# Altium PCB COEX GPS PCB.PcbDoc
Units mm, origin at the board's own origin, x right, y up, seen from the top; angles counter-clockwise.
Board outline 35 x 35 mm, 4 copper layers (Top L, IL1, IL2, Bot. L), stack 1.131 mm thick; 63 components, 39 nets, 223 pads, 103 vias.
Unrouted connection lines stored in the file: 19.
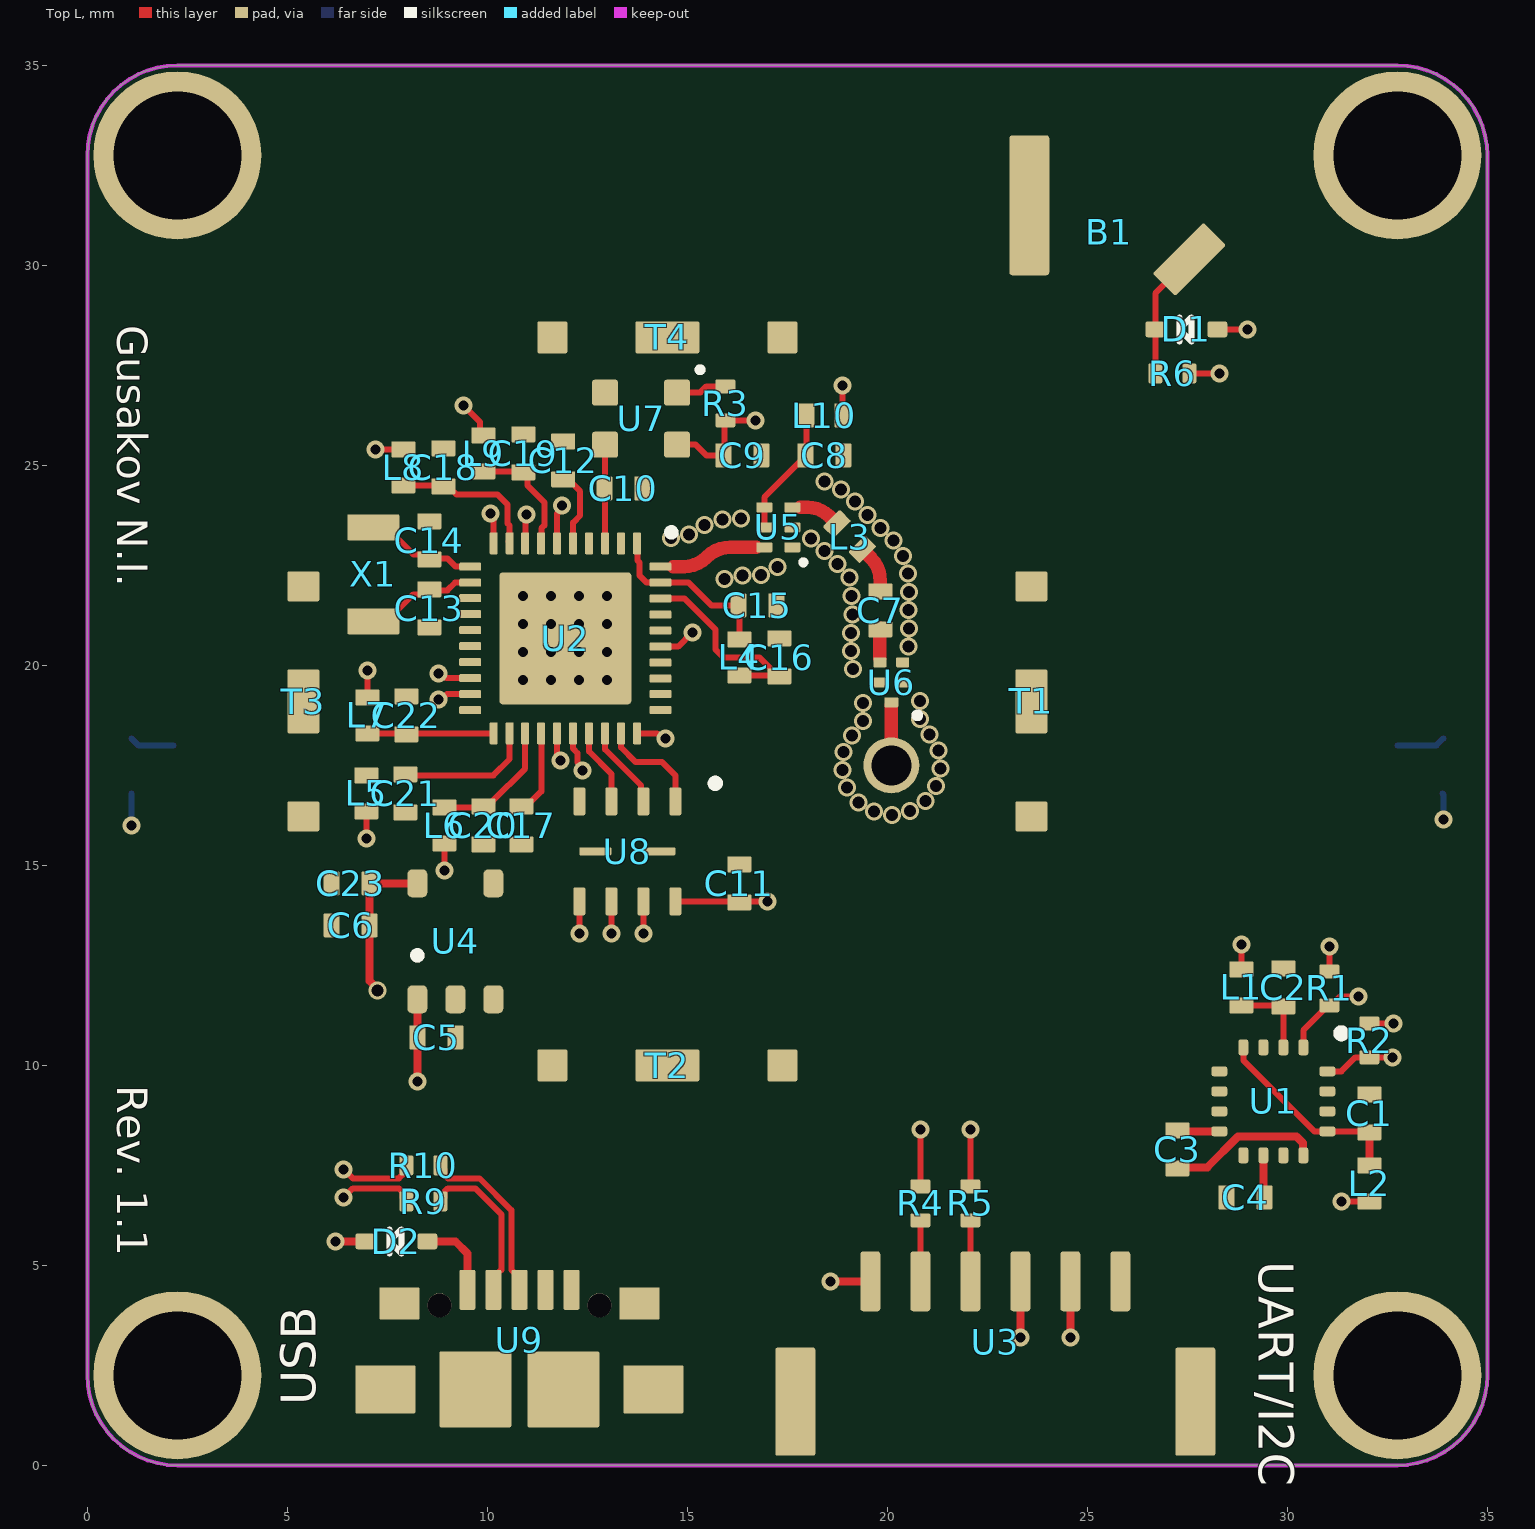
[diagram p0: Top L view]
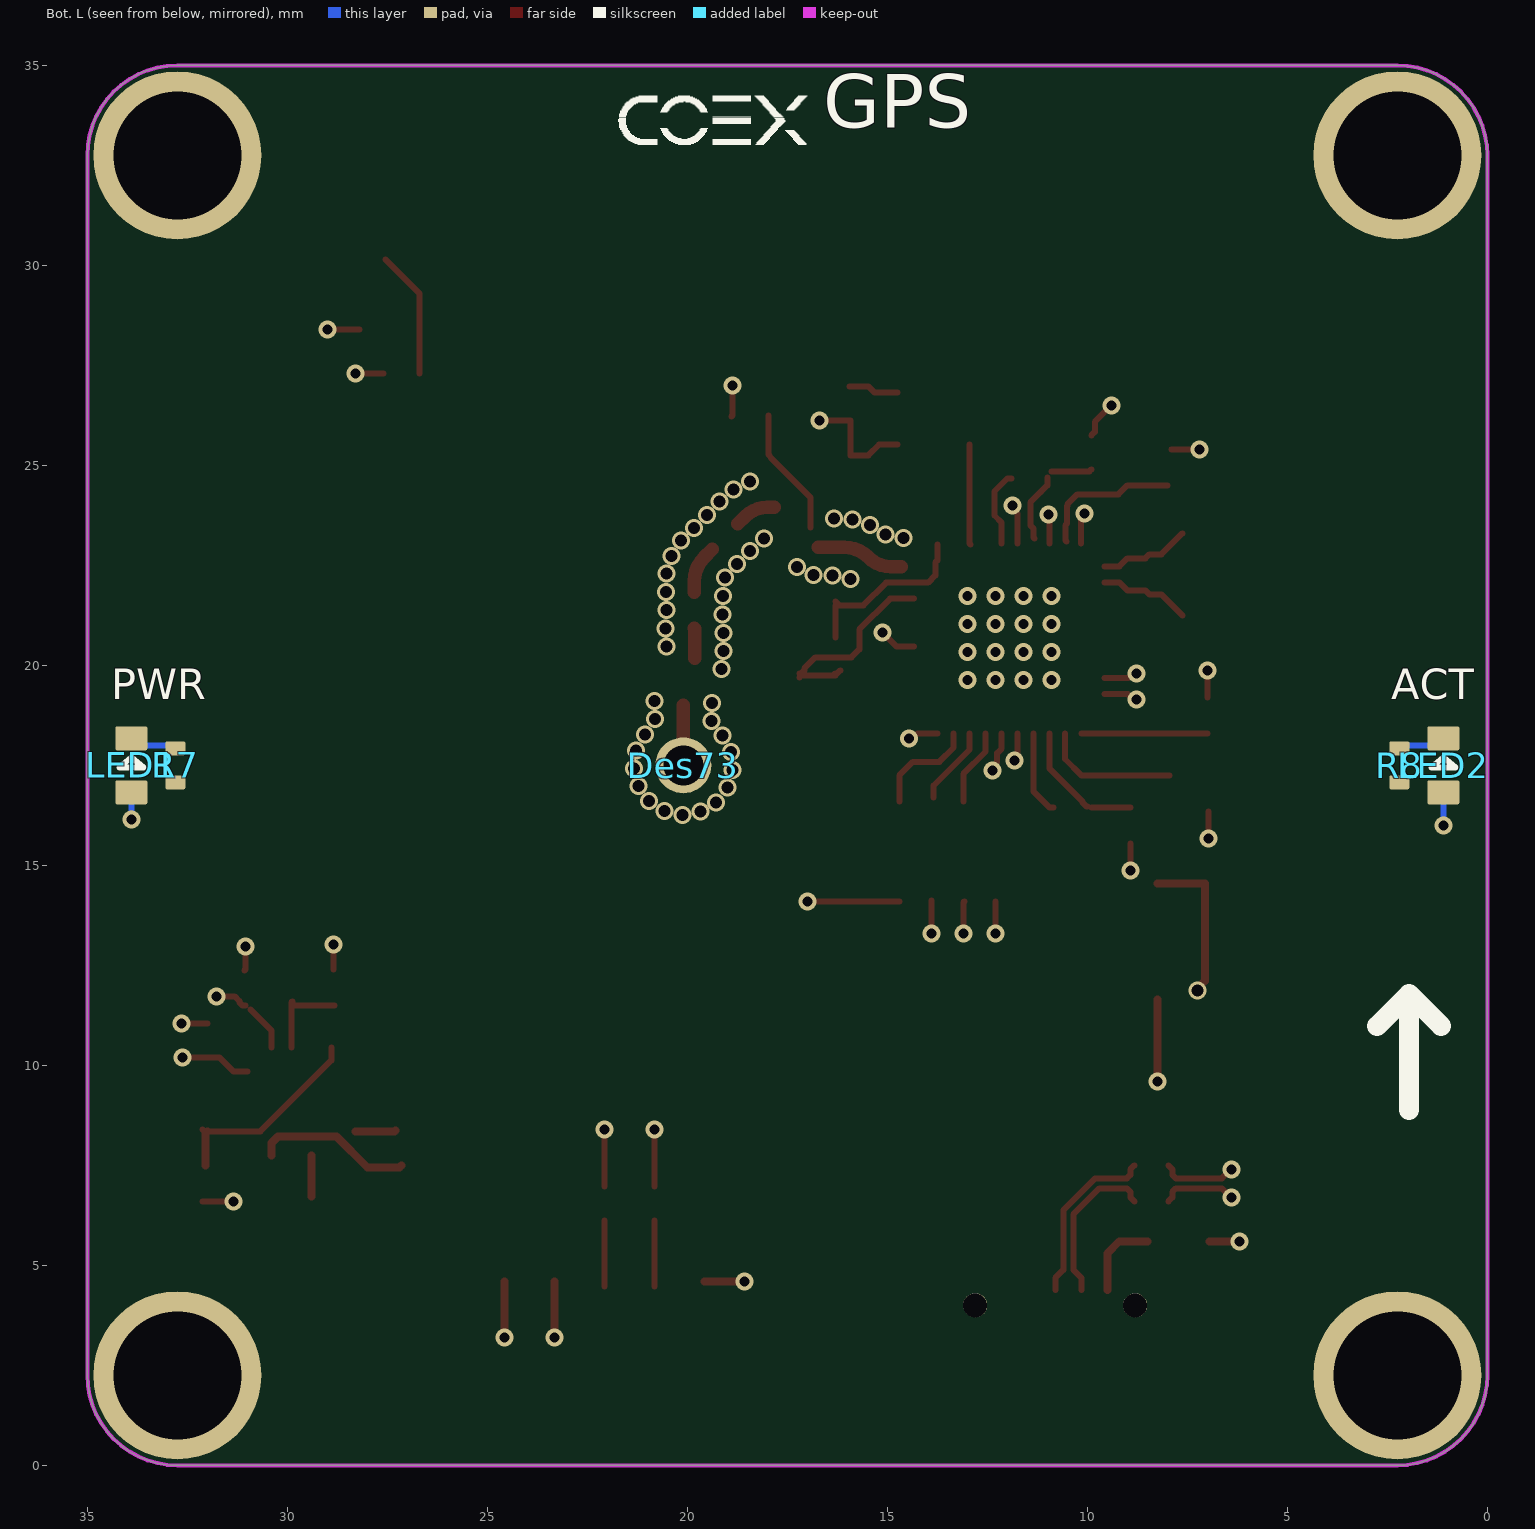
[diagram p1: Bot. L view, seen from below]
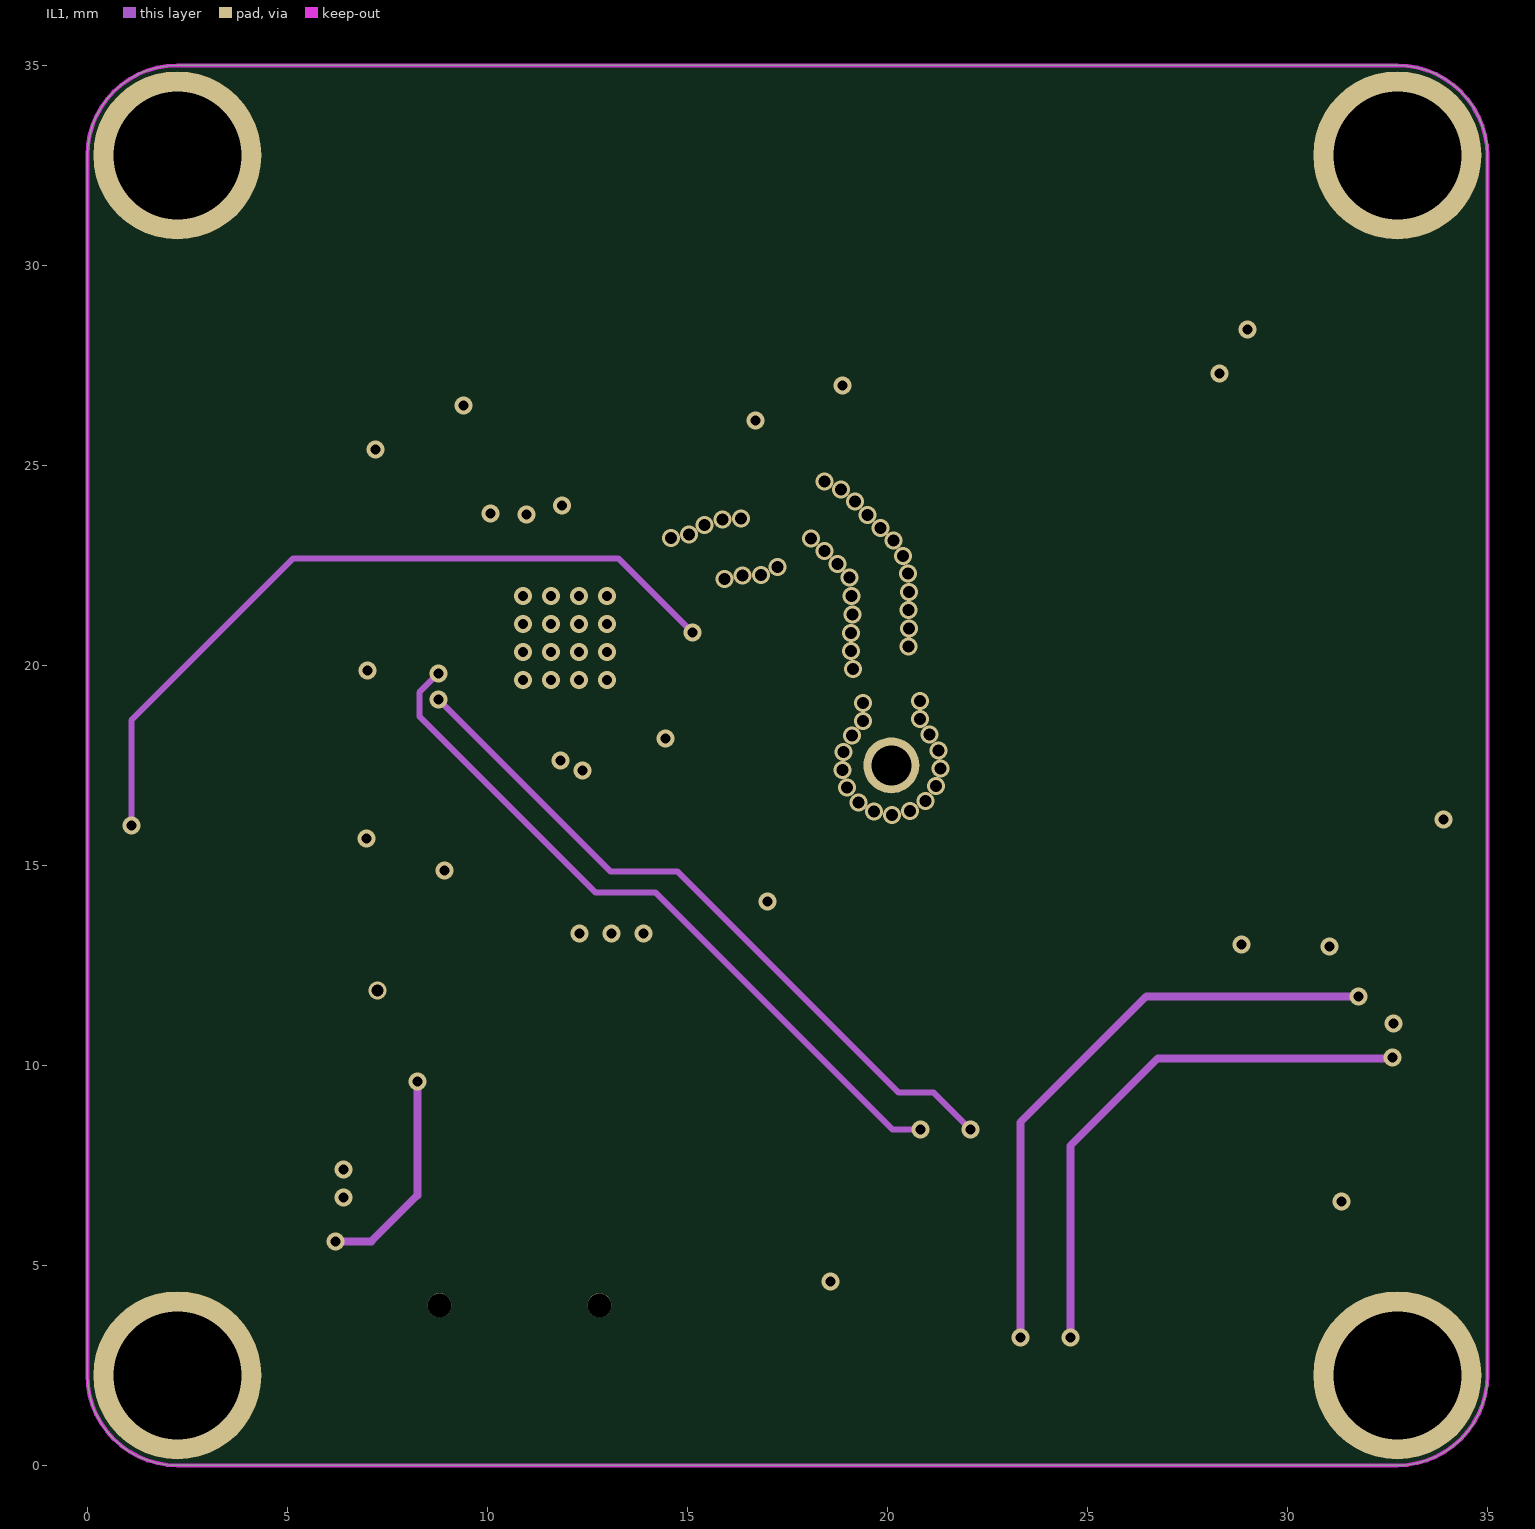
[diagram p2: IL1]
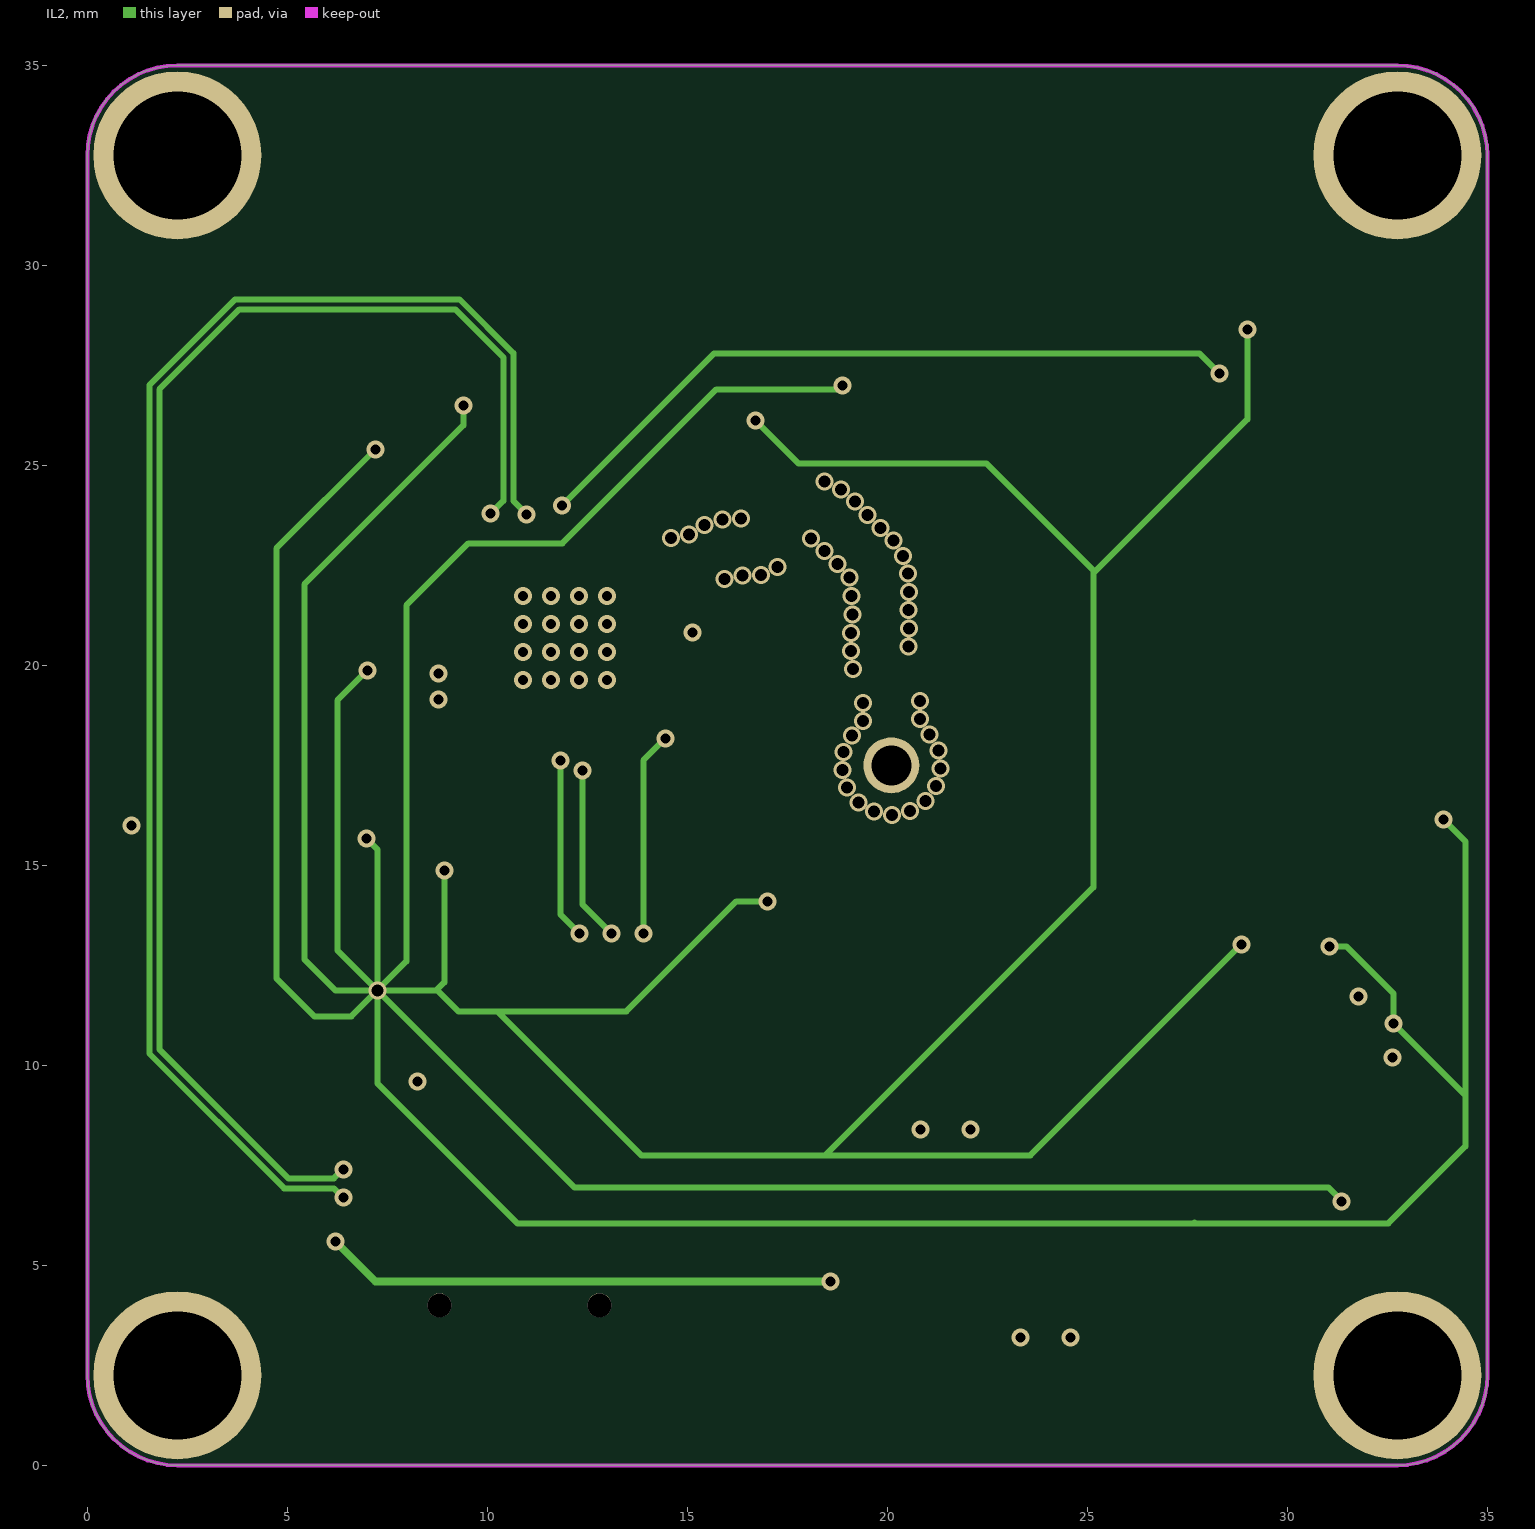
[diagram p3: IL2]
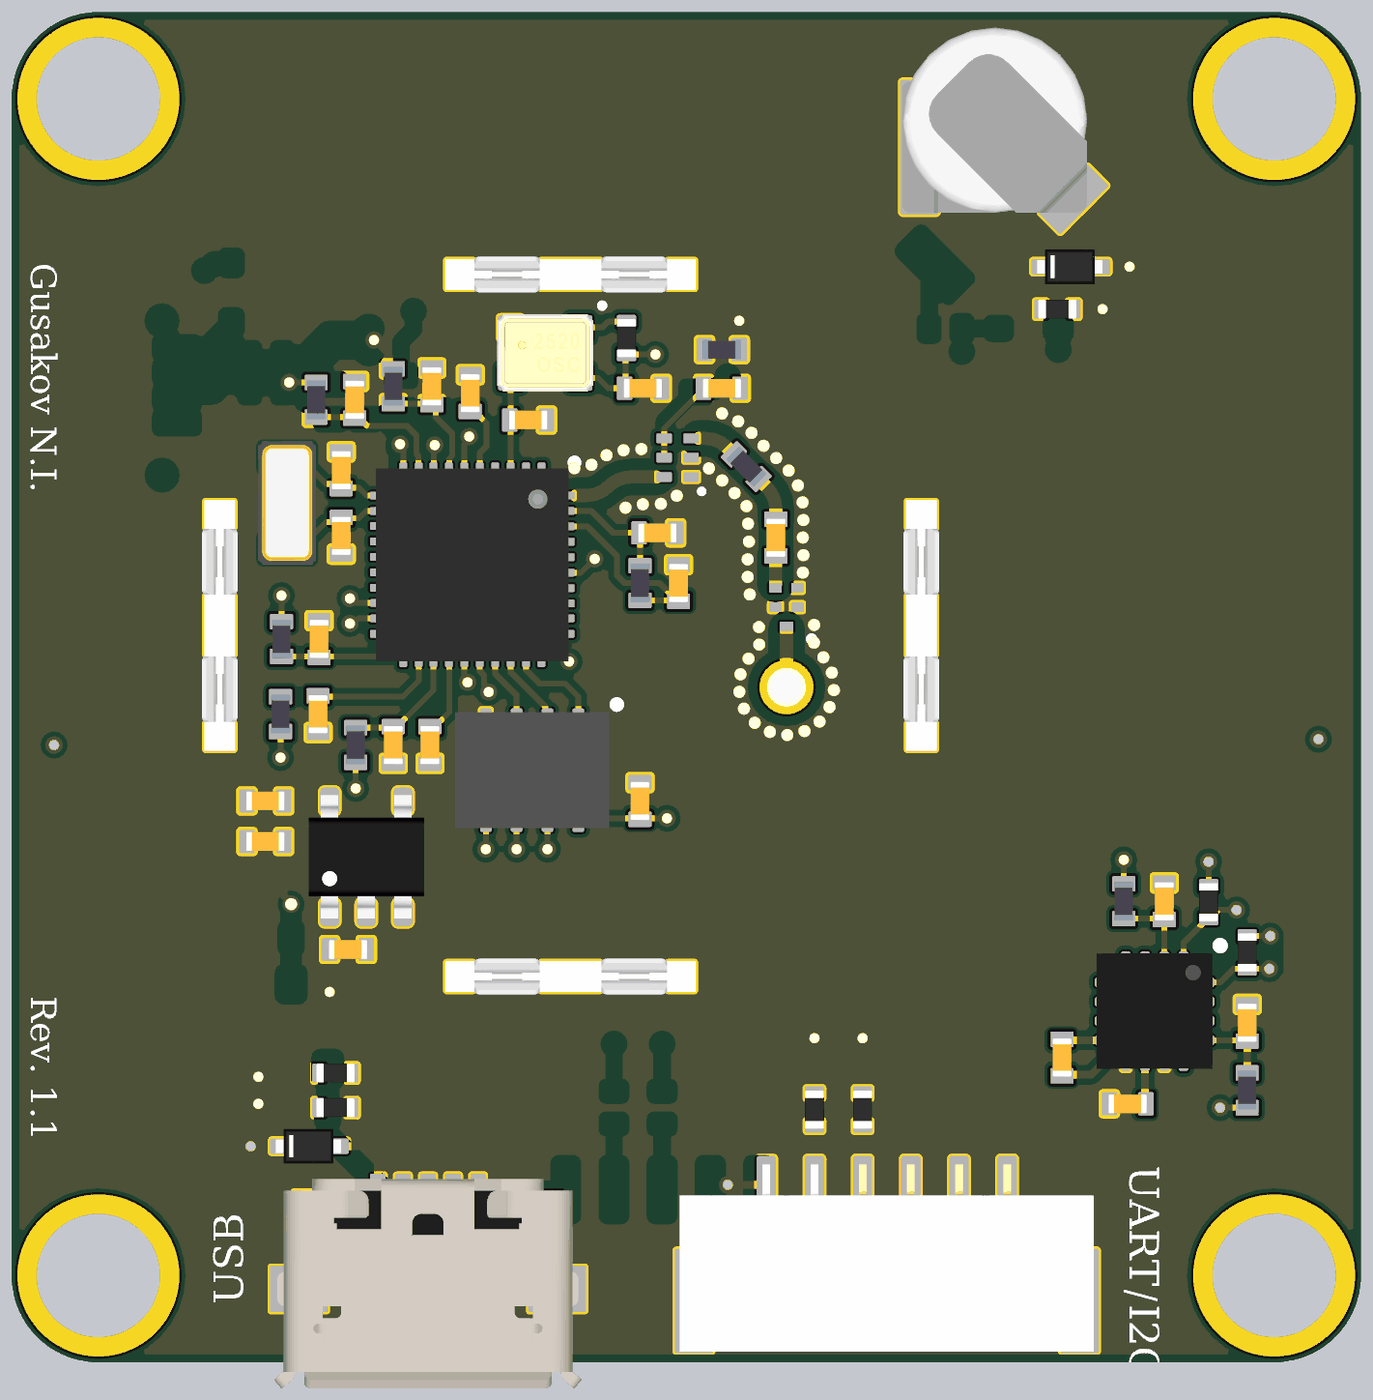
[diagram p4: 3D render of the assembled board from above, using the file's embedded part models]